# Altium PCB 2-quilter-output.PcbDoc (part 21 of 26)
Units mil, origin at the board's own origin, x right, y up, seen from the top; angles counter-clockwise.
Board outline 4130.55 x 4250 mil, 8 copper layers (L1, Ground L2, L3, Power L4, Ground L5, L6, Ground L7, L8), stack 62.985 mil thick; 591 components, 494 nets, 2245 pads, 1508 vias.
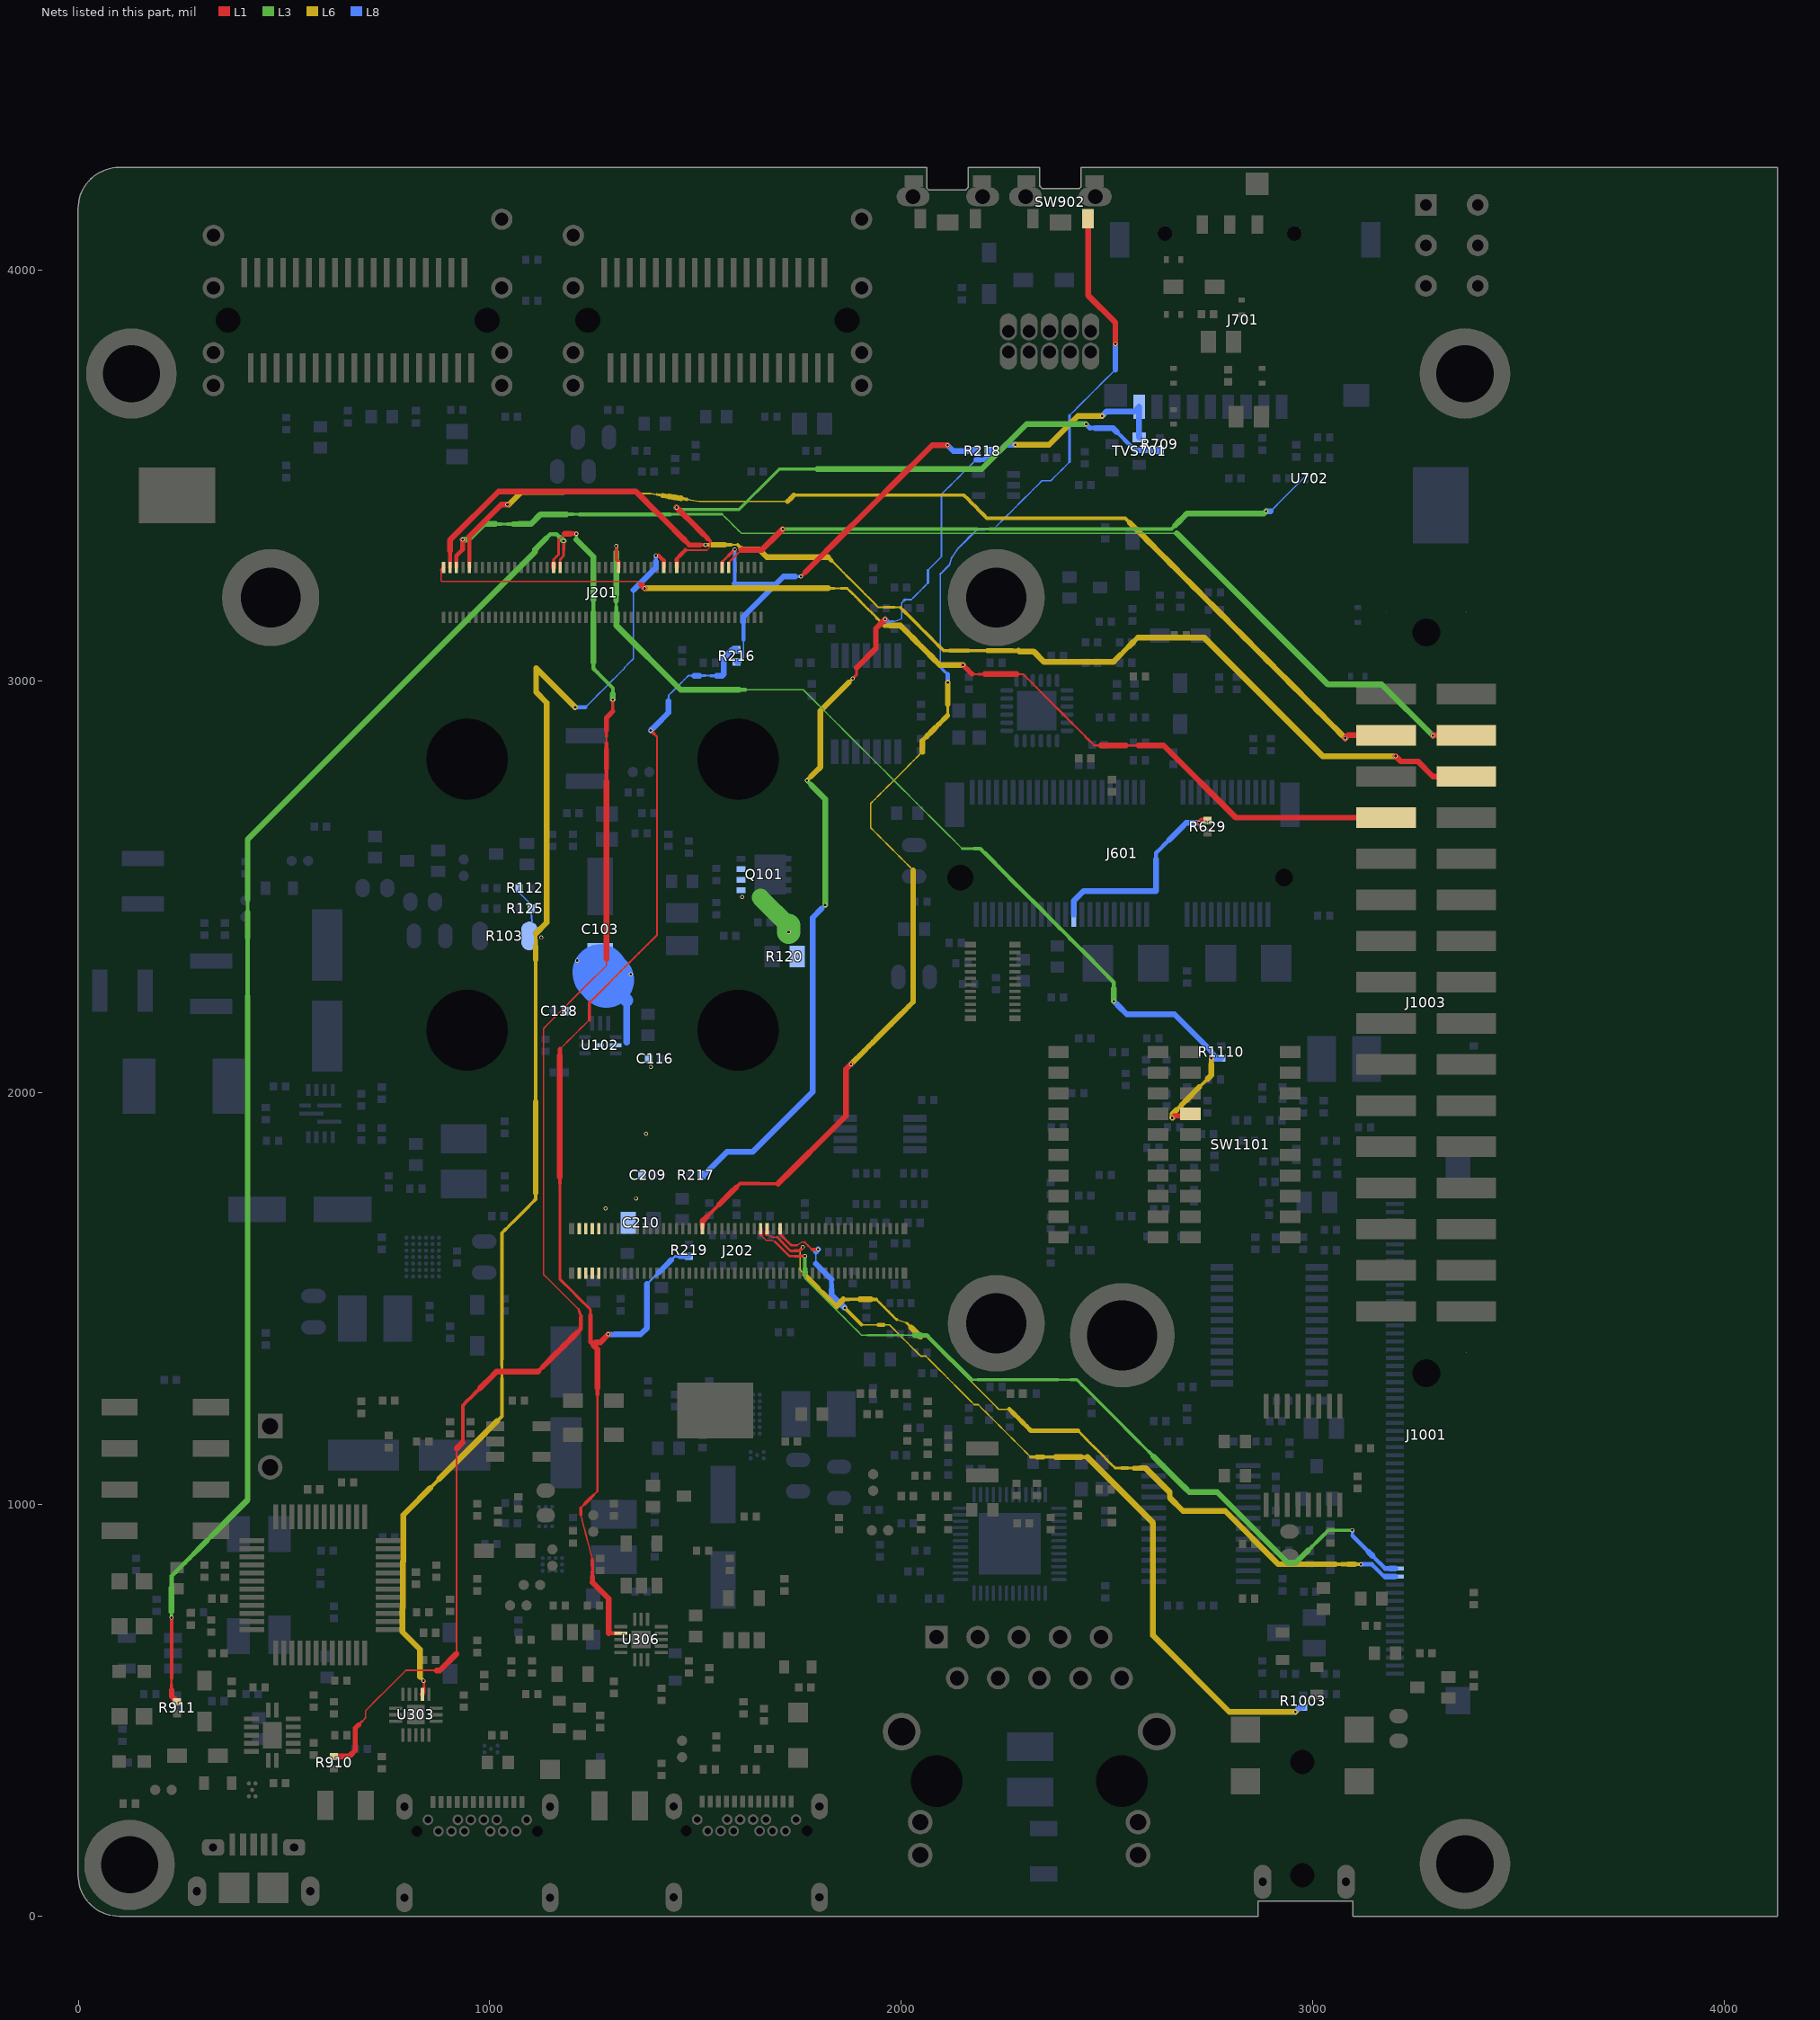
[diagram p27: the nets of this part, all layers, seen from the top]

## Via types
v1: diameter 9.85, hole 5.91, L1 to L8, tented both sides, 1508 vias

## Nets (pads, with @x,y where several pads share a name; then routed paths per layer and width w, separated by ;. In a path a pad name is that pad's centre, name@x,y a point inside that pad or via, vN(x,y) a via of type N, cw(c..) or ccw(c..) an arc to the next point about the centre after c; other vN are vias at no path point) (continued)
SD2_DATA3: J201.74 R709.1 | length 1532.2
  L1 w3.5: 1475.57,3318.64 1488.65,3318.64 1501.72,3318.64 1514.8,3318.64 1527.87,3318.64 1534.38,3325.14 1535.77,3326.53 1535.77,3341.11
  L1 w8.94: 1530.08,3346.79 1535.77,3341.11
  L1 w9.96: J201.74@1454.73,3276.42 1454.74,3287.11 1454.74,3297.81 1465.16,3308.22 1475.57,3318.64
  L1 w12.01: 1519.28,3357.59 1530.08,3346.79
  L1 w14.05: v1(1454.48,3422.41) 1465.28,3411.6 1476.08,3400.8 1486.88,3390 1497.68,3379.2 1508.48,3368.39 1519.28,3357.59
  L3 w5.87: 1627.94,3439.46 1638.86,3450.38 1649.78,3461.3
  L3 w6.9: v1(1454.48,3422.41) 1459.27,3417.62 1473.95,3417.62 1488.63,3417.62 1503.32,3417.62 1518,3417.62 1532.68,3417.62 1547.37,3417.62 1562.05,3417.62 1576.73,3417.62 1591.42,3417.62 1606.1,3417.62 1617.02,3428.54 1627.94,3439.46 ; 1649.78,3461.3 1660.7,3472.22 1671.62,3483.14 1682.54,3494.06 1693.46,3504.98 1704.38,3515.9 1719.74,3515.9 1735.1,3515.9 1750.46,3515.9 1765.82,3515.9 1781.18,3515.9 1796.55,3515.9
  L3 w14.05: 1796.55,3515.9 1811.91,3515.9 1827.27,3515.9 1842.63,3515.9 1857.99,3515.9 1873.36,3515.9 1888.72,3515.9 1904.08,3515.9 1919.44,3515.9 1934.8,3515.9 1950.16,3515.9 1965.53,3515.9 1980.89,3515.9 1996.25,3515.9 2011.61,3515.9 2026.97,3515.9 2042.33,3515.9 2057.7,3515.9 2073.06,3515.9 2088.42,3515.9 2103.78,3515.9 2119.14,3515.9 2134.5,3515.9 2149.87,3515.9 2165.23,3515.9 2180.59,3515.9 2195.95,3515.9 2304.88,3624.83 v1(2449.72,3624.83)
  L8 w9.96: 2525.33,3604.89 2536.14,3594.09 2546.94,3583.28 2557.75,3572.48
  L8 w10.99: 2458.84,3615.7 2472.76,3615.7 ; 2557.75,3572.48 2568.55,3561.67
  L8 w12.01: v1(2449.72,3624.83) 2458.63,3615.91 2458.84,3615.7
  L8 w14.05: 2472.76,3615.7 2486.69,3615.7 2500.61,3615.7 2514.53,3615.7 2525.33,3604.89 ; 2568.55,3561.67 R709.1@2628.92,3561.67
SD2_DET: J701.9 R217.2 R218.1 TVS701.2 | length 2657.1
  L1 w6.9: v1(1882.13,3006.5) 1892.07,3016.44 1892.07,3024.8 1892.07,3033.16
  L1 w13.03: 1938.68,3128.35 1946.25,3135.92
  L1 w14.05: 1892.07,3033.16 1938.68,3079.77 1938.68,3128.35 ; 1946.25,3135.92 1953.82,3143.49 v1(1961.39,3151.06)
  L3 w9.96: v1(1770.93,2758.63) 1782.03,2747.52
  L3 w14.05: 1782.03,2747.52 1793.14,2736.42 1804.25,2725.31 1815.36,2714.2 v1(1815.36,2456.09)
  L6 w7.92: 1872.33,2996.7 v1(1882.13,3006.5)
  L6 w9.96: v1(1770.93,2758.63) 1781.87,2769.58
  L6 w14.05: 1781.87,2769.58 1792.82,2780.53 1803.53,2791.24 1803.53,2927.9 1813.56,2937.93 1823.36,2947.73 1833.15,2957.52 1842.95,2967.32 1852.74,2977.11 1862.54,2986.91 1872.33,2996.7 ; v1(2277.9,3574.69) 2359.68,3574.69 2429.64,3644.65 v1(2488.5,3644.65)
  L8 w3.5: 1980.02,3145.55 1981.01,3144.2 1991.07,3148 2001.62,3151.98 ; 2024.76,3198.33 2031.18,3204.75 2037.6,3211.17 2046.88,3220.46 2056.16,3229.74 2065.14,3238.72 ; 2065.45,3270.15 2076.37,3281.07 2087.29,3291.99 2098.21,3302.9 2098.21,3318.05 2098.21,3333.2 2098.21,3348.35 2098.21,3363.49 2098.21,3378.64 2098.21,3393.79 2098.21,3408.94 2098.21,3424.08 2098.21,3439.23 2098.21,3454.38 2108.73,3464.9 2119.25,3475.42 2129.76,3485.94 2140.28,3496.46 2150.8,3506.97 2161.32,3517.49 2171.84,3528.01 2182.36,3538.53
  L8 w3.83: 2001.62,3151.98 2001.62,3164.86 2001.62,3177.74 2001.62,3190.62 2007.25,3196.25
  L8 w4.85: 2009.33,3198.33 2024.76,3198.33
  L8 w5.87: 1966.9,3145.55 1980.02,3145.55 ; 2065.14,3238.72 2065.45,3239.03 2065.45,3254.59 2065.45,3270.15
  L8 w6.9: 2007.25,3196.25 2009.33,3198.33
  L8 w7.92: 1807.26,2448 v1(1815.36,2456.09)
  L8 w10.99: v1(1961.39,3151.06) 1966.9,3145.55 ; 2191.7,3538.53 2201.03,3538.53 2206.71,3544.21 R218.1@2212.38,3549.88
  L8 w13.03: 2182.36,3538.53 2191.7,3538.53
  L8 w14.05: R217.2@1515.65,1800.08 1520.39,1800.08 1576.5,1856.18 1639.07,1856.18 1785.15,2002.26 1785.15,2425.88 1807.26,2448 ; R218.1@2212.38,3549.88 R218.1@2212.37,3559.83 2238.74,3559.84 2253.59,3574.69 2257.06,3574.69 v1(2277.9,3574.69) ; v1(2488.5,3644.65) 2499.84,3655.99 2567.79,3655.99 J701.9@2578.59,3667.38 2578.6,3637.87 2578.6,3593.27 TVS701.2@2578.93,3592.95
SD2_NCD: J201.88 R216.2 R218.2 | length 1103.7
  L1 w5.87: J201.88@1564.98,3289.72 1572.8,3297.54 1580.61,3305.35
  L1 w7.92: J201.88@1564.97,3276.42 J201.88@1564.98,3289.72 ; 1580.61,3305.35 1588.07,3312.81 v1(1595.53,3320.27)
  L1 w8.94: v1(1756.57,3254.61) 1767.58,3265.62
  L1 w14.05: 1767.58,3265.62 1778.59,3276.63 1789.6,3287.64 1800.61,3298.65 1811.61,3309.66 1822.62,3320.67 1833.63,3331.68 1844.64,3342.69 1855.65,3353.7 1866.66,3364.71 1877.67,3375.72 1888.68,3386.73 1899.69,3397.74 1910.7,3408.75 1921.71,3419.76 1932.72,3430.77 1943.73,3441.78 1954.74,3452.79 1965.75,3463.8 1976.76,3474.8 1987.77,3485.81 1998.78,3496.82 2009.79,3507.83 2020.8,3518.84 2031.8,3529.85 2042.81,3540.86 2053.82,3551.87 2064.83,3562.88 2075.84,3573.89 v1(2112.84,3573.89)
  L8 w3.83: 1611.07,3052.73 1616.77,3058.43 1616.77,3072.55 1616.77,3086.68 1616.77,3100.8
  L8 w4.85: R216.2@1605.37,3047.03 1611.07,3052.73
  L8 w7.92: 1742.41,3254.61 v1(1756.57,3254.61)
  L8 w8.94: 1595.53,3237.49 1595.53,3249.25 1595.53,3263.46 1595.53,3277.66 1595.53,3291.87 1595.53,3306.07 v1(1595.53,3320.27)
  L8 w9.96: 1616.77,3100.8 1616.77,3114.92 1616.77,3129.04 1616.77,3143.16
  L8 w13.03: 1616.77,3143.16 1616.77,3157.28
  L8 w14.05: 1595.53,3237.49 1597.98,3235.04 1694.54,3235.04 ; R216.2@1600.43,3047.02 R216.2@1605.37,3047.03 ; 1616.77,3157.28 1694.53,3235.04 ; 1742.41,3254.61 1728.26,3254.61 1714.11,3254.61 1694.54,3235.04 ; v1(2112.84,3573.89) 2126.89,3559.84 R218.2@2182.85,3559.83
SD2_NRST: J201.90 U702.B1 | length 1505.4
  L1 w4.85: J201.90@1580.73,3288.41 1591.12,3298.8 1601.51,3309.19 1611.9,3319.57
  L1 w6.9: J201.90@1580.72,3276.42 J201.90@1580.73,3288.41
  L1 w14.05: 1611.9,3319.57 1662.04,3319.57 1701.66,3359.19 v1(1712.46,3369.99)
  L3 w5.87: 2184.92,3370 2200.67,3370 2216.42,3370
  L3 w8.94: v1(1712.46,3369.99) 1728.21,3370 1743.96,3370 1759.71,3370 1775.46,3370 1791.21,3370 1806.96,3370 1822.7,3370 1838.45,3370 1854.2,3370 1869.95,3370 1885.7,3370 1901.45,3370 1917.2,3370 1932.94,3370 1948.69,3370 1964.44,3370 1980.19,3370 1995.94,3370 2011.69,3370 2027.44,3370 2043.18,3370 2058.93,3370 2074.68,3370 2090.43,3370 2106.18,3370 2121.93,3370 2137.68,3370 2153.42,3370 2169.17,3370 2184.92,3370 ; 2216.42,3370 2232.17,3370 2247.92,3370 2263.66,3370 2279.41,3370 2295.16,3370 2310.91,3370 2326.66,3370 2342.41,3370 2358.16,3370 2373.9,3370 2389.65,3370 2405.4,3370 2421.15,3370 2436.9,3370 2452.65,3370 2468.4,3370 2484.14,3370 2499.89,3370 2515.64,3370 2531.39,3370 2547.14,3370 2562.89,3370 2578.64,3370 2594.38,3370 2610.13,3370 2625.88,3370 2641.63,3370 2657.38,3370 2666.73,3379.35
  L3 w14.05: 2666.73,3379.35 2676.08,3388.7 2685.43,3398.05 2694.79,3407.41 2881.46,3407.41 v1(2887.41,3413.34)
  L8 w3.5: 2898.03,3413.34 2909.02,3424.34 2920.02,3435.33 2931.01,3446.33 2942.01,3457.32 2953,3468.31 2963.99,3479.31 2974.99,3490.3 U702.B1@2985.99,3501.29
  L8 w14.05: v1(2887.41,3413.34) 2898.03,3413.34
SPDIF_EXT_CLK: J202.63 R1003.2 | length 1985.7
  L1 w3.5: 1746.54,1629.33 1751.02,1632.1 1759.15,1637.12 ; 1759.15,1637.13 1765.39,1637.13
  L1 w4.85: 1765.39,1637.13 1774.24,1628.28 1783.09,1619.43
  L1 w5.87: J202.63@1706.56,1668.36 1706.56,1656.43 1716.35,1646.64 1726.13,1636.86 1733.66,1629.33 1746.54,1629.33
  L1 w7.92: 1783.09,1619.43 v1(1798.6,1619.43)
  L1 w9.96: J202.63@1705.99,1669.64 J202.63@1706.56,1668.36
  L6 w3.5: 2059.75,1360.32 2070.51,1349.56 2081.26,1338.81 2092.02,1328.05 2102.78,1317.29 2113.54,1306.53 2124.3,1295.78 2135.05,1285.02 2145.81,1274.26 2156.57,1263.5 2167.33,1252.75 2178.08,1241.99 ; 2187.85,1241.99 2198.41,1231.43 2208.98,1220.86 2219.54,1210.3 2230.1,1199.74 2240.67,1189.17 2251.23,1178.61 2261.79,1168.05 2272.36,1157.48 2282.92,1146.92 2293.49,1136.36 2304.05,1125.79 2314.61,1115.23
  L6 w3.83: 1904.14,1436.15 1917.66,1436.15 1931.17,1436.15 1944.69,1436.15 ; 1958.2,1436.15 1971.71,1436.15 1982.55,1425.31 1993.38,1414.48 2004.21,1403.65 2015.04,1392.82 2025.87,1381.99 2036.71,1371.15 2047.54,1360.32 2059.75,1360.32 ; 2178.08,1241.99 2187.85,1241.99
  L6 w7.92: 2314.61,1115.23 2329.9,1115.23 ; 2345.19,1115.23 2360.48,1115.23 2375.76,1115.23
  L6 w8.94: v1(1863.2,1477.09) 1873.44,1466.85 1883.67,1456.62 1893.91,1446.38 1904.14,1436.15
  L6 w9.96: 1944.69,1436.15 1958.2,1436.15 ; 2436.92,1115.23 2452.2,1115.23
  L6 w12.01: 2329.9,1115.23 2345.19,1115.23
  L6 w14.05: 2375.76,1115.23 2391.05,1115.23 2406.34,1115.23 2421.63,1115.23 2436.92,1115.23 ; 2452.2,1115.23 2612.57,954.87 2612.57,680.91 2797.67,495.81 v1(2958.49,495.82)
  L8 w3.5: 1792.85,1584.41 1792.85,1599.04 1792.85,1613.68
  L8 w10.99: 1830.97,1533.97 1830.97,1546.29
  L8 w12.01: 1830.97,1521.64 1830.97,1533.97
  L8 w14.05: 1792.85,1584.41 1830.97,1546.29 ; 1792.85,1613.68 v1(1798.6,1619.43) ; 1830.97,1521.64 1830.97,1509.32 v1(1863.2,1477.09) ; v1(2958.49,495.82) 2969.66,506.99 R1003.2@2977.28,506.98
SPDIF_RX: J202.59 J1001.48 | length 1953.2
  L1 w3.5: 1672.89,1655.77 1687.2,1649.31 1688.36,1649.31 1697.9,1649.31
  L1 w5.87: 1697.9,1649.31 1709.04,1638.18 1720.17,1627.05 1731.3,1615.91 1741.87,1615.91
  L1 w7.92: 1672.89,1655.77 J202.59@1673.49,1660.91 ; 1741.87,1615.91 1752.43,1615.91 v1(1761.19,1624.67)
  L1 w8.94: J202.59@1673.49,1660.91 J202.59@1674.5,1669.64
  L6 w3.5: 1989.09,1448.9 2001.42,1444.66 2013.74,1440.43 ; 2061.34,1407.16 2072.35,1396.14 2083.37,1385.13 2094.39,1374.11 2105.4,1363.09 2116.42,1352.08 2127.44,1341.06 2138.45,1330.04 2149.47,1319.03 2160.49,1308.01 2171.5,1296.99 2182.52,1285.98 2193.54,1274.96 2204.55,1263.94 2215.57,1252.93 2226.59,1241.91 2237.6,1230.89
  L6 w3.83: v1(1761.19,1624.67) 1754.87,1618.35 1754.87,1606.03 1754.87,1593.71 1754.87,1581.39 1754.87,1569.07 1765.87,1558.08 ; 2047.02,1407.16 2061.34,1407.16 ; 2237.6,1230.89 2250.6,1230.89 2263.6,1230.89
  L6 w5.87: 1940.07,1497.91 1949.87,1488.11 1959.67,1478.3 1969.47,1468.5 1979.28,1458.7 1989.08,1448.9 ; 2013.74,1440.43 2024.83,1429.34 ; 2429.81,1178.75 2439.89,1168.67 2449.97,1158.59 2460.05,1148.52 2470.12,1138.44 2480.2,1128.36 2490.28,1118.28 2500.36,1108.21 2510.43,1098.13 2520.51,1088.05
  L6 w6.9: 2520.51,1088.05 2535.66,1088.05 ; 2550.8,1088.05 2565.95,1088.05
  L6 w7.92: 1873.02,1497.91 1886.43,1497.91 1899.84,1497.91 ; v1@3117.61,854.34 v1(3118,853.95)
  L6 w8.94: 1859.61,1497.91 1873.02,1497.91 ; 1926.66,1497.91 1940.07,1497.91 ; 2535.66,1088.05 2550.8,1088.05 ; 3055.92,854.34 3071.34,854.34 ; 3102.18,854.34 v1@3117.61,854.34
  L6 w9.96: 1798.84,1525.1 1809.84,1514.11 ; 3071.34,854.34 3086.76,854.34
  L6 w10.99: 2263.6,1230.89 2274.03,1220.46 2284.46,1210.03 2294.88,1199.61 2305.31,1189.18 2315.74,1178.75 2330,1178.75 2344.26,1178.75 2358.52,1178.75 2372.78,1178.75 2387.04,1178.75 2401.29,1178.75 2415.55,1178.75 2429.81,1178.75
  L6 w12.01: 1765.87,1558.08 1776.86,1547.09 1787.85,1536.1 1798.84,1525.1 ; 1809.84,1514.11 1820.83,1503.12 1831.82,1492.13 1842.81,1481.14 ; 2565.95,1088.05 2581.09,1088.05
  L6 w14.05: 1842.83,1481.13 1859.61,1497.91 ; 1899.84,1497.91 1913.25,1497.91 1926.66,1497.91 ; 2024.83,1429.34 2035.92,1418.26 ; 2035.93,1418.25 2047.01,1407.17 ; 2581.09,1088.05 2594.19,1088.05 2653.02,1029.22 2653.02,1016.02 2685.48,983.56 2787.9,983.56 2917.12,854.34 2932.54,854.34 2947.96,854.34 2963.38,854.34 2978.81,854.34 2994.23,854.34 3009.65,854.34 3025.07,854.34 3040.5,854.34 3055.92,854.34 ; 3086.76,854.34 3102.18,854.34
  L8 w9.96: 3144.46,853.95 3154.35,844.06 3164.23,834.18 3174.11,824.3 3177,824.3
  L8 w10.99: v1(3118,853.95) 3131.23,853.95 3144.46,853.95
  L8 w14.05: 3177.01,824.29 J1001.48@3200.73,824.3
SPDIF_TX: J202.57 J1001.47 | length 1997.2
  L1 w3.5: 1658.76,1654.85 1665.57,1648.04 1672.39,1641.22 1674.18,1641.22 1686.52,1641.22 1693.59,1637.85
  L1 w5.87: 1693.59,1637.85 1702.33,1629.11 1711.08,1620.35 1719.84,1611.6 1728.59,1602.85 1741.46,1602.85
  L1 w6.9: 1741.46,1602.85 1754.33,1602.85
  L1 w7.92: 1754.33,1602.85 v1(1766.14,1602.85)
  L1 w8.94: 1658.76,1654.85 1658.76,1656.97 J202.57@1658.75,1669.64
  L3 w3.5: 1766.3,1548.47 1777.01,1537.76 1787.57,1527.2 1798.12,1516.65 1808.68,1506.09 1819.24,1495.53 1829.8,1484.97 1840.36,1474.41 1850.92,1463.85 1861.47,1453.3 1872.03,1442.74 1882.59,1432.18 1893.15,1421.62 1903.71,1411.06
  L3 w3.83: 1766.3,1548.47 1766.3,1563.53 ; 1903.71,1411.06 1918.12,1411.06 ; 2004.62,1411.06 2019.03,1411.06 2033.45,1411.06
  L3 w4.85: 1918.12,1411.06 1932.54,1411.06 1946.95,1411.06 1961.37,1411.06 1975.79,1411.06 1990.2,1411.06 2004.62,1411.06
  L3 w5.87: 2170.6,1302.74 2185.69,1302.74 ; 2381.88,1302.74 2396.97,1302.74 2412.06,1302.74
  L3 w6.9: 2185.69,1302.74 2200.78,1302.74 2215.87,1302.74 2230.97,1302.74 2246.06,1302.74 2261.15,1302.74 2276.24,1302.74 2291.33,1302.74 2306.42,1302.74 2321.52,1302.74 2336.61,1302.74 2351.7,1302.74 2366.79,1302.74 2381.88,1302.74 ; 2412.06,1302.74 2427.16,1302.74 2438.11,1291.79 ; 2481.92,1247.98 2492.87,1237.02 ; 2580.5,1149.4 2591.45,1138.45 2602.4,1127.49
  L3 w7.92: 2438.11,1291.79 2449.06,1280.83 2460.01,1269.88 2470.97,1258.93 2481.92,1247.98 ; 2492.87,1237.02 2503.83,1226.07 2514.78,1215.12 2525.73,1204.16 2536.69,1193.21 2547.64,1182.26 2558.59,1171.31 2569.54,1160.35 2580.5,1149.4 ; 2999.23,897.56 3009.14,907.47 ; 3028.98,927.31 3038.89,937.22 3053.35,937.22 3067.8,937.22 3082.25,937.22 v1(3096.71,937.22)
  L3 w8.94: 1766.14,1571.52 1766.14,1587.19 v1(1766.14,1602.85) ; 2602.4,1127.49 2613.36,1116.54
  L3 w9.96: 2047.86,1411.06 2062.28,1411.06 2073.11,1400.23 2083.94,1389.4 2094.78,1378.57 2105.61,1367.73 2116.44,1356.9 2127.27,1346.07 2138.1,1335.24 2148.94,1324.4 2159.77,1313.57 2170.6,1302.74 ; 2989.31,887.64 2999.23,897.56 ; 3009.14,907.47 3019.06,917.39 3028.98,927.31
  L3 w12.01: 1766.14,1563.69 1766.14,1571.52
  L3 w14.05: 1766.14,1563.69 1766.3,1563.53 ; 2033.45,1411.06 2047.86,1411.06 ; 2613.36,1116.54 2624.31,1105.59 2635.26,1094.63 2646.22,1083.68 2657.17,1072.73 2668.12,1061.78 2679.07,1050.82 2690.03,1039.87 2700.3,1029.6 2768.02,1029.6 2939.73,857.89 2959.56,857.89 2969.48,867.81 2979.4,877.73 2989.31,887.64
  L8 w7.92: 3096.71,923.99 v1(3096.71,937.22)
  L8 w9.96: 3096.71,923.99 3106.71,913.99 3116.71,903.99 3126.71,893.99 3136.71,883.99 ; 3146.71,873.99 3156.72,863.98 3166.72,853.98
  L8 w10.99: 3166.72,853.98 3176.72,843.98 J1001.47@3188.72,843.98
  L8 w14.05: 3136.71,883.99 3146.71,873.99 ; J1001.47@3188.72,843.98 J1001.47@3200.73,843.99
SUSCLK_32K: J601.50 R629.1 | length 493.4
  L1 w14.05: v1(2725.29,2655.97) 2730.81,2661.5 R629.1@2745.04,2661.5
  L8 w9.96: 2620.02,2567.41 2620.02,2582.77 2630.47,2593.22 2640.92,2603.68 2651.38,2614.13
  L8 w14.05: J601.50@2419.52,2433.28 2419.51,2466.3 2443.8,2490.59 2620.01,2490.59 2620.02,2505.96 2620.02,2521.32 2620.02,2536.69 2620.02,2552.05 2620.02,2567.41 ; 2651.38,2614.13 2661.84,2624.59 2672.3,2635.05 2682.76,2645.51 2693.21,2655.97 2709.25,2655.97 v1(2725.29,2655.97)
SYS_5V: C103.1 C116.1 C138.1 C209.1 C210.1 J202.1 J202.2 J202.3 J202.4 J202.5 J202.6 J202.7 J202.8 Q101.1 Q101.2 Q101.3 R103.2 R112.1 R120.1 R125.1 U102.8 U102.11 | length 403.5
  L3 w43.26: 1658.34,2474.66 1726.97,2406.03
  L3 w56.83: v1(1726.97,2390.57) 1726.97,2406.03
  L8 w3.5: R112.1@1071.42,2497.33 1071.42,2487.03 1100.93,2457.53 ; R125.1@1100.93,2457.52 R125.1@1100.94,2447.52 1100.93,2437.52 1103.08,2416.22
  L8 w16.55: 1333.15,2122.76 1333.15,2224.78
  L8 w31.31: C103.1@1283.46,2274.47 1333.15,2224.78
  L8 w134.67: C103.1@1268.64,2293.82 1269.43,2288.5 C103.1@1283.46,2274.47
  other v1: 1281.81,1718.97 1355.54,1743.34 1380.04,1900.23 1391.47,2062.81 1342.52,2288.24 1212.75,2321.24 1125.17,2377.1 1613.86,2475.66
SYS_NRST: J202.39 SW902.2 | length 3085.7
  L1 w7.92: 1654.88,1779.36 1670.36,1779.36 1685.85,1779.36 1701.34,1779.36
  L1 w8.94: 1527.18,1698.12 1537.34,1708.28 1547.49,1718.43 1557.64,1728.59 ; 1598.26,1769.2 1608.41,1779.36 1623.9,1779.36 1639.39,1779.36 1654.88,1779.36
  L1 w9.96: J202.39@1517.02,1669.64 J202.39@1517.03,1678.81
  L1 w13.03: 1557.64,1728.59 1567.8,1738.74 ; 1778.22,1856.23 1789.2,1867.22 1800.18,1878.2 ; 1855.09,1933.11 1866.07,1944.09
  L1 w14.05: J202.39@1517.03,1678.81 1517.03,1687.97 1527.18,1698.12 ; 1567.8,1738.74 1577.95,1748.89 1588.11,1759.05 1598.26,1769.2 ; 1701.34,1779.36 1712.32,1790.34 1723.3,1801.32 1734.29,1812.3 1745.27,1823.29 1756.25,1834.27 1767.23,1845.25 1778.22,1856.23 ; 1800.18,1878.2 1811.16,1889.18 1822.15,1900.16 1833.13,1911.14 1844.11,1922.13 1855.09,1933.11 ; 1866.07,1944.09 1866.07,2057.43 ; 1866.08,2057.43 v1(1878.05,2069.4) ; SW902.2@2454.47,4124.25 2454.47,3938.1 2520.91,3871.66 2520.91,3837.85 v1(2520.91,3820)
  L6 w3.5: 2029.37,2540.92 2019.04,2551.25 2008.71,2561.58 1998.38,2571.91 1988.05,2582.25 1977.71,2592.58 1967.38,2602.91 1957.05,2613.24 1946.72,2623.57 1936.39,2633.91 1926.06,2644.24 1926.06,2658.89 1926.06,2673.55 1926.06,2688.2 1926.06,2702.86 1936.5,2713.31 1946.95,2723.76 1957.4,2734.2 1967.85,2744.65 1978.29,2755.1 1988.74,2765.55 1999.19,2775.99 2009.64,2786.44 2020.08,2796.89 2030.53,2807.34 2040.98,2817.78 2051.37,2828.17
  L6 w5.87: 2113.44,2917.24 2113.44,2930.54
  L6 w6.9: 2113.44,2930.54 2113.44,2943.85
  L6 w10.99: 2051.37,2855.18 2061.76,2865.57 ; 2092.77,2896.57 2103.1,2906.91
  L6 w12.01: 2082.43,2886.24 2092.77,2896.57 ; 2103.1,2906.91 2113.44,2917.24
  L6 w13.03: v1(1878.05,2069.4) 1888.86,2080.21 1899.67,2091.02 1910.48,2101.83 1921.29,2112.64 1932.09,2123.45 1942.9,2134.26 1953.71,2145.06 1964.52,2155.87 1975.33,2166.68 1986.14,2177.49 1996.95,2188.3 2007.76,2199.11 2018.56,2209.92 2029.37,2220.73 2029.37,2235.97 ; 2061.76,2865.57 2072.1,2875.9 ; 2113.44,2943.85 2113.44,2957.15 2113.44,2970.45
  L6 w14.05: 2029.37,2235.97 2029.37,2251.22 2029.37,2266.47 2029.37,2281.72 2029.37,2296.96 2029.37,2312.21 2029.37,2327.46 2029.37,2342.7 2029.37,2357.95 2029.37,2373.2 2029.37,2388.45 2029.37,2403.69 2029.37,2418.94 2029.37,2434.19 2029.37,2449.44 2029.37,2464.68 2029.37,2479.93 2029.37,2495.18 2029.37,2510.42 2029.37,2525.67 2029.37,2540.92 ; 2051.37,2828.17 2051.37,2855.18 ; 2072.1,2875.9 2082.43,2886.24 ; 2113.44,2970.45 2113.44,2983.75 v1(2113.44,2997.06)
  L8 w3.5: 2123.43,3301.11 2130.22,3311.18 2137.01,3321.26 ; 2225.06,3370.08 2235.73,3380.75 2246.4,3391.41 2257.06,3402.08 2267.73,3412.75 2278.4,3423.41 2289.06,3434.08 2299.73,3444.75 2310.4,3455.41 2321.06,3466.08 2331.73,3476.75 2342.4,3487.42 2353.2,3487.42 2364.01,3487.42 2373.14,3496.55 2382.27,3505.68 2391.4,3514.81 2400.53,3523.94 2409.67,3533.07 ; 2409.67,3646.33 2420.79,3657.45 2431.92,3668.58 2443.04,3679.7 2454.16,3690.83 2465.29,3701.95 2476.41,3713.08 2487.54,3724.2 2498.66,3735.33 2509.79,3746.45 2520.91,3757.58
  L8 w3.83: 2095.34,3034.75 2095.34,3049.82 2095.34,3064.88 2095.34,3079.94 2095.34,3095 2095.34,3110.07 2095.34,3125.13 2095.34,3140.19 2095.34,3155.25 2095.34,3170.31 2095.34,3185.38 2095.34,3200.44 2095.34,3215.5 2095.34,3230.56 2095.34,3245.63 2095.34,3260.69 ; 2117.77,3283.11 2120.6,3292.11 2123.43,3301.11 ; 2137.01,3321.26 2146.67,3330.92 ; 2175.65,3359.9 2185.31,3369.56
  L8 w4.85: 2095.34,3260.69 2102.82,3268.16 2110.29,3275.64 2117.77,3283.11 ; 2146.67,3330.92 2156.33,3340.58 2165.99,3350.24 2175.65,3359.9
  L8 w5.87: 2409.67,3533.07 2409.67,3547.23 2409.67,3561.39 2409.67,3575.54 2409.67,3589.7 2409.67,3603.86 2409.67,3618.01 2409.67,3632.17 2409.67,3646.33
  L8 w6.9: 2095.34,3034.75 2104.39,3025.71 2113.44,3016.66 ; 2194.59,3369.56 2203.86,3369.56 2204.38,3370.08 2214.72,3370.08 2225.06,3370.08
  L8 w7.92: 2185.31,3369.56 2194.59,3369.56
  L8 w10.99: v1(2113.44,2997.06) 2113.44,3006.86 2113.44,3016.66
  L8 w14.05: 2520.91,3757.58 v1(2520.91,3820)
TCPC_NINT1: J201.70 U303.10 | length 3313.2
  L1 w5.87: 840.39,555.72 v1@840.39,569.83
  L1 w6.9: U303.10@836.51,537.75 840.39,541.62 840.39,555.72